# KiCad board SparkFun_Pro_Mini-ESP32_panelized.kicad_pcb (continued)
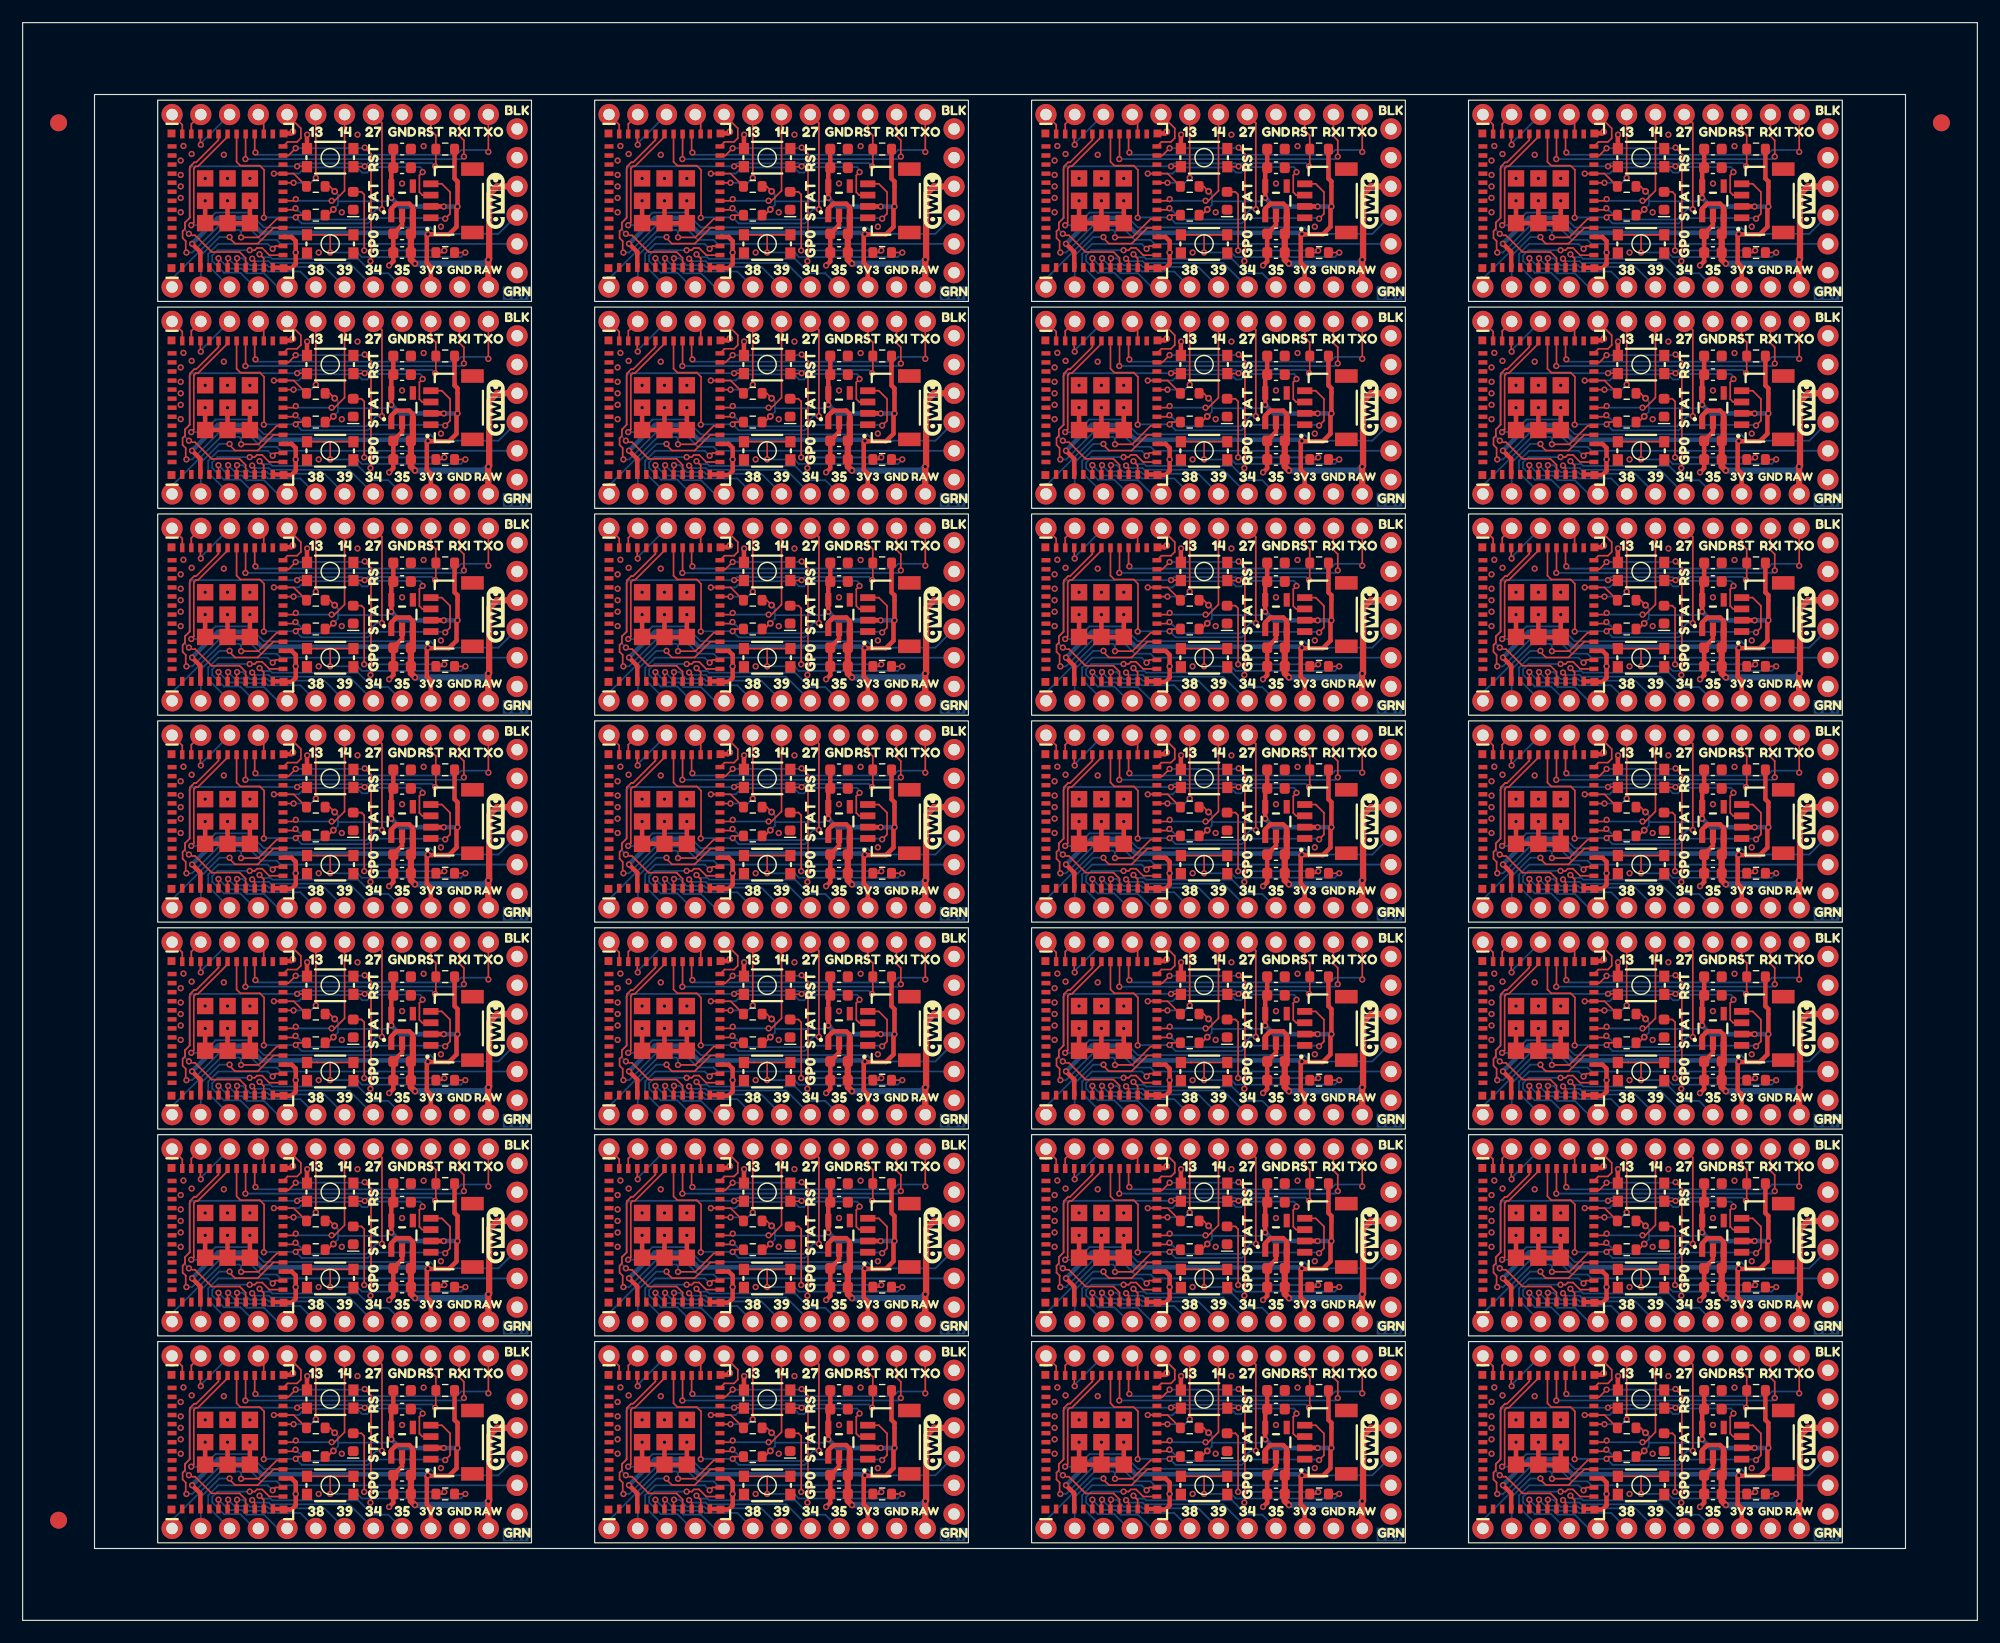
[diagram p0: board, top side]
## Routing (per net, layer and track width the routed paths; a pad name or vN(x,y) marks a point on that pad's centre or on a via; arc(x,y) is an arc through that point) (continued)
ESP_3/RX: length 1130.4
  Top w0.152: v2(130.7,104.98) 130.92,105.21 130.92,110.01 131.1,110.19 131.29,110.19 133.9,112.8 U1#19.30 ; v2(130.7,123.26) 130.92,123.49 130.92,128.29 131.1,128.47 131.29,128.47 133.9,131.08 U1#9.30 ; U1#25.30 18.1,94.52 15.49,91.91 15.3,91.91 15.12,91.73 15.12,86.93 v2(14.9,86.7) ; U1#22.30 95.3,21.4 92.69,18.79 92.5,18.79 92.32,18.61 92.32,13.81 v2(92.1,13.58) ; v2(14.9,13.58) 15.12,13.81 15.12,18.61 15.3,18.79 15.49,18.79 18.1,21.4 U1.30 ; v2(130.7,50.14) 130.92,50.37 130.92,55.17 131.1,55.35 131.29,55.35 133.9,57.96 U1#7.30 ; U1#13.30 95.3,94.52 92.69,91.91 92.5,91.91 92.32,91.73 92.32,86.93 v2(92.1,86.7) ; v2(53.5,68.42) 53.72,68.65 53.72,73.45 53.9,73.63 54.09,73.63 56.7,76.24 U1#15.30 ; v2(53.5,31.86) 53.72,32.09 53.72,36.89 53.9,37.07 54.09,37.07 56.7,39.68 U1#17.30 ; U1#11.30 95.3,112.8 92.69,110.19 92.5,110.19 92.32,110.01 92.32,105.21 v2(92.1,104.98) ; U1#10.30 95.3,76.24 92.69,73.63 92.5,73.63 92.32,73.45 92.32,68.65 v2(92.1,68.42) ; U1#24.30 18.1,76.24 15.49,73.63 15.3,73.63 15.12,73.45 15.12,68.65 v2(14.9,68.42) ; v2(53.5,104.98) 53.72,105.21 53.72,110.01 53.9,110.19 54.09,110.19 56.7,112.8 U1#21.30 ; v2(14.9,104.98) 15.12,105.21 15.12,110.01 15.3,110.19 15.49,110.19 18.1,112.8 U1#6.30 ; v2(130.7,13.58) 130.92,13.81 130.92,18.61 131.1,18.79 131.29,18.79 133.9,21.4 U1#26.30 ; v2(14.9,31.86) 15.12,32.09 15.12,36.89 15.3,37.07 15.49,37.07 18.1,39.68 U1#2.30 ; v2(130.7,86.7) 130.92,86.93 130.92,91.73 131.1,91.91 131.29,91.91 133.9,94.52 U1#3.30 ; v2(92.1,31.86) 92.32,32.09 92.32,36.89 92.5,37.07 92.69,37.07 95.3,39.68 U1#8.30 ; U1#16.30 56.7,94.52 54.09,91.91 53.9,91.91 53.72,91.73 53.72,86.93 v2(53.5,86.7) ; v2(92.1,123.26) 92.32,123.49 92.32,128.29 92.5,128.47 92.69,128.47 95.3,131.08 U1#14.30 ; v2(130.7,31.86) 130.92,32.09 130.92,36.89 131.1,37.07 131.29,37.07 133.9,39.68 U1#27.30 ; U1#20.30 56.7,57.96 54.09,55.35 53.9,55.35 53.72,55.17 53.72,50.37 v2(53.5,50.14) ; U1#12.30 133.9,76.24 131.29,73.63 131.1,73.63 130.92,73.45 130.92,68.65 v2(130.7,68.42) ; v2(53.5,123.26) 53.72,123.49 53.72,128.29 53.9,128.47 54.09,128.47 56.7,131.08 U1#23.30 ; U1#18.30 18.1,131.08 15.49,128.47 15.3,128.47 15.12,128.29 15.12,123.49 v2(14.9,123.26) ; v2(53.5,13.58) 53.72,13.81 53.72,18.61 53.9,18.79 54.09,18.79 56.7,21.4 U1#4.30 ; v2(92.1,50.14) 92.32,50.37 92.32,55.17 92.5,55.35 92.69,55.35 95.3,57.96 U1#5.30 ; v2(14.9,50.14) 15.12,50.37 15.12,55.17 15.3,55.35 15.49,55.35 18.1,57.96 U1#28.30
  Bottom w0.152: J1#12.3 80.63,49.38 75.18,49.38 74.61,49.95 59.91,49.95 58.6,51.26 55.64,51.26 54.53,50.14 53.32,50.14 ; 130.52,50.14 131.73,50.14 132.84,51.26 135.8,51.26 137.11,49.95 151.81,49.95 152.38,49.38 157.83,49.38 J1#15.3 ; 14.72,86.7 15.93,86.7 17.04,87.82 20,87.82 21.31,86.51 36.01,86.51 36.58,85.94 42.03,85.94 J1#20.3 ; J1#10.3 119.23,122.5 113.78,122.5 113.21,123.07 98.51,123.07 97.2,124.38 94.24,124.38 93.13,123.26 91.92,123.26 ; 91.92,68.42 93.13,68.42 94.24,69.54 97.2,69.54 98.51,68.23 113.21,68.23 113.78,67.66 119.23,67.66 J1#28.3 ; 130.52,68.42 131.73,68.42 132.84,69.54 135.8,69.54 137.11,68.23 151.81,68.23 152.38,67.66 157.83,67.66 J1#19.3 ; 53.32,31.86 54.53,31.86 55.64,32.98 58.6,32.98 59.91,31.67 74.61,31.67 75.18,31.1 80.63,31.1 J1.3 ; J1#16.3 157.83,12.82 152.38,12.82 151.81,13.39 137.11,13.39 135.8,14.7 132.84,14.7 131.73,13.58 130.52,13.58 ; J1#18.3 119.23,12.82 113.78,12.82 113.21,13.39 98.51,13.39 97.2,14.7 94.24,14.7 93.13,13.58 91.92,13.58 ; 53.32,13.58 54.53,13.58 55.64,14.7 58.6,14.7 59.91,13.39 74.61,13.39 75.18,12.82 80.63,12.82 J1#5.3 ; J1#2.3 157.83,104.22 152.38,104.22 151.81,104.79 137.11,104.79 135.8,106.1 132.84,106.1 131.73,104.98 130.52,104.98 ; J1#17.3 157.83,85.94 152.38,85.94 151.81,86.51 137.11,86.51 135.8,87.82 132.84,87.82 131.73,86.7 130.52,86.7 ; J1#13.3 119.23,104.22 113.78,104.22 113.21,104.79 98.51,104.79 97.2,106.1 94.24,106.1 93.13,104.98 91.92,104.98 ; 14.72,68.42 15.93,68.42 17.04,69.54 20,69.54 21.31,68.23 36.01,68.23 36.58,67.66 42.03,67.66 J1#27.3 ; 91.92,31.86 93.13,31.86 94.24,32.98 97.2,32.98 98.51,31.67 113.21,31.67 113.78,31.1 119.23,31.1 J1#24.3 ; 14.72,13.58 15.93,13.58 17.04,14.7 20,14.7 21.31,13.39 36.01,13.39 36.58,12.82 42.03,12.82 J1#11.3 ; 53.32,86.7 54.53,86.7 55.64,87.82 58.6,87.82 59.91,86.51 74.61,86.51 75.18,85.94 80.63,85.94 J1#6.3 ; J1#8.3 42.03,31.1 36.58,31.1 36.01,31.67 21.31,31.67 20,32.98 17.04,32.98 15.93,31.86 14.72,31.86 ; 53.32,104.98 54.53,104.98 55.64,106.1 58.6,106.1 59.91,104.79 74.61,104.79 75.18,104.22 80.63,104.22 J1#9.3 ; 14.72,50.14 15.93,50.14 17.04,51.26 20,51.26 21.31,49.95 36.01,49.95 36.58,49.38 42.03,49.38 J1#3.3 ; 130.52,31.86 131.73,31.86 132.84,32.98 135.8,32.98 137.11,31.67 151.81,31.67 152.38,31.1 157.83,31.1 J1#26.3 ; 53.32,68.42 54.53,68.42 55.64,69.54 58.6,69.54 59.91,68.23 74.61,68.23 75.18,67.66 80.63,67.66 J1#25.3 ; J1#4.3 42.03,104.22 36.58,104.22 36.01,104.79 21.31,104.79 20,106.1 17.04,106.1 15.93,104.98 14.72,104.98 ; J1#14.3 119.23,49.38 113.78,49.38 113.21,49.95 98.51,49.95 97.2,51.26 94.24,51.26 93.13,50.14 91.92,50.14 ; 91.92,86.7 93.13,86.7 94.24,87.82 97.2,87.82 98.51,86.51 113.21,86.51 113.78,85.94 119.23,85.94 J1#22.3 ; J1#21.3 42.03,122.5 36.58,122.5 36.01,123.07 21.31,123.07 20,124.38 17.04,124.38 15.93,123.26 14.72,123.26 ; J1#23.3 80.63,122.5 75.18,122.5 74.61,123.07 59.91,123.07 58.6,124.38 55.64,124.38 54.53,123.26 53.32,123.26 ; J1#7.3 157.83,122.5 152.38,122.5 151.81,123.07 137.11,123.07 135.8,124.38 132.84,124.38 131.73,123.26 130.52,123.26
ESP_4A: length 125.3
  Top w0.152: U1#23.24 62,130.62 62.84,130.62 63.18,130.96 63.18,131.82 J3#21.5 ; J3#20.5 101.78,40.42 101.78,39.56 101.44,39.22 100.6,39.22 U1#8.24 ; J3#19.5 24.58,113.54 24.58,112.68 24.24,112.34 23.4,112.34 U1#6.24 ; J3#9.5 140.38,40.42 140.38,39.56 140.04,39.22 139.2,39.22 U1#27.24 ; U1#15.24 62,75.78 62.84,75.78 63.18,76.12 63.18,76.98 J3#4.5 ; U1#20.24 62,57.5 62.84,57.5 63.18,57.84 63.18,58.7 J3#5.5 ; U1#3.24 139.2,94.06 140.04,94.06 140.38,94.4 140.38,95.26 J3#24.5 ; U1#4.24 62,20.94 62.84,20.94 63.18,21.28 63.18,22.14 J3#17.5 ; J3#13.5 63.18,113.54 63.18,112.68 62.84,112.34 62,112.34 U1#21.24 ; U1#17.24 62,39.22 62.84,39.22 63.18,39.56 63.18,40.42 J3.5 ; J3#7.5 140.38,131.82 140.38,130.96 140.04,130.62 139.2,130.62 U1#9.24 ; J3#25.5 24.58,22.14 24.58,21.28 24.24,20.94 23.4,20.94 U1.24 ; J3#27.5 24.58,40.42 24.58,39.56 24.24,39.22 23.4,39.22 U1#2.24 ; J3#2.5 101.78,131.82 101.78,130.96 101.44,130.62 100.6,130.62 U1#14.24 ; J3#14.5 24.58,95.26 24.58,94.4 24.24,94.06 23.4,94.06 U1#25.24 ; U1#7.24 139.2,57.5 140.04,57.5 140.38,57.84 140.38,58.7 J3#6.5 ; U1#11.24 100.6,112.34 101.44,112.34 101.78,112.68 101.78,113.54 J3#26.5 ; U1#24.24 23.4,75.78 24.24,75.78 24.58,76.12 24.58,76.98 J3#12.5 ; J3#16.5 63.18,95.26 63.18,94.4 62.84,94.06 62,94.06 U1#16.24 ; U1#18.24 23.4,130.62 24.24,130.62 24.58,130.96 24.58,131.82 J3#22.5 ; J3#10.5 101.78,95.26 101.78,94.4 101.44,94.06 100.6,94.06 U1#13.24 ; J3#3.5 140.38,76.98 140.38,76.12 140.04,75.78 139.2,75.78 U1#12.24 ; U1#5.24 100.6,57.5 101.44,57.5 101.78,57.84 101.78,58.7 J3#8.5 ; J3#11.5 140.38,113.54 140.38,112.68 140.04,112.34 139.2,112.34 U1#19.24 ; U1#28.24 23.4,57.5 24.24,57.5 24.58,57.84 24.58,58.7 J3#18.5 ; J3#23.5 101.78,76.98 101.78,76.12 101.44,75.78 100.6,75.78 U1#10.24 ; J3#15.5 101.78,22.14 101.78,21.28 101.44,20.94 100.6,20.94 U1#22.24 ; U1#26.24 139.2,20.94 140.04,20.94 140.38,21.28 140.38,22.14 J3#28.5
ESP_5: length 880.8
  Top w0.152: v2(114.53,32.44) 114.96,32.87 114.96,34.79 114.23,35.52 J4#6.4 ; v2(37.33,87.28) 37.76,87.71 37.76,89.63 37.03,90.36 J4#18.4 ; v2(62.72,32.55) 62.92,32.75 63.67,32.75 ; v2(139.92,87.39) 140.12,87.59 R3#25.2 ; 63.67,14.47 62.92,14.47 v2(62.72,14.27) ; U1#13.29 96.1,92.3 96.44,91.96 98.15,91.96 98.53,91.58 98.53,87.39 v2(98.5,87.36) ; J4#25.4 152.83,35.52 153.56,34.79 153.56,32.87 v2(153.13,32.44) ; R3#2.2 24.32,124.15 v2(24.12,123.95) ; v2(75.93,105.56) 76.36,105.99 76.36,107.91 75.63,108.64 J4#19.4 ; v2(75.93,32.44) 76.36,32.87 76.36,34.79 75.63,35.52 J4#5.4 ; J4#21.4 37.03,17.24 37.76,16.51 37.76,14.59 v2(37.33,14.16) ; U1#21.29 57.5,110.58 57.84,110.24 59.55,110.24 59.93,109.86 59.93,105.67 v2(59.9,105.64) ; 102.27,87.59 101.52,87.59 v2(101.32,87.39) ; v2(101.32,123.95) 101.52,124.15 102.27,124.15 ; v2(21.3,105.64) 21.33,105.67 21.33,109.86 20.95,110.24 19.24,110.24 18.9,110.58 U1#6.29 ; v2(98.5,50.8) 98.53,50.83 98.53,55.02 98.15,55.4 96.44,55.4 96.1,55.74 U1#5.29 ; v2(59.9,14.24) 59.93,14.27 59.93,18.46 59.55,18.84 57.84,18.84 57.5,19.18 U1#4.29 ; v2(37.33,32.44) 37.76,32.87 37.76,34.79 37.03,35.52 J4#17.4 ; v2(24.12,32.55) 24.32,32.75 R3#17.2 ; U1#24.29 18.9,74.02 19.24,73.68 20.95,73.68 21.33,73.3 21.33,69.11 v2(21.3,69.08) ; J4#28.4 152.83,72.08 153.56,71.35 153.56,69.43 v2(153.13,69) ; v2(59.9,87.36) 59.93,87.39 59.93,91.58 59.55,91.96 57.84,91.96 57.5,92.3 U1#16.29 ; 63.67,69.31 62.92,69.31 v2(62.72,69.11) ; v2(139.92,105.67) 140.12,105.87 R3#19.2 ; v2(37.33,123.84) 37.76,124.27 37.76,126.19 37.03,126.92 J4#13.4 ; J4#26.4 75.63,126.92 76.36,126.19 76.36,124.27 v2(75.93,123.84) ; J4#20.4 75.63,90.36 76.36,89.63 76.36,87.71 v2(75.93,87.28) ; 102.27,14.47 101.52,14.47 v2(101.32,14.27) ; R3.2 140.12,51.03 v2(139.92,50.83) ; v2(98.5,32.52) 98.53,32.55 98.53,36.74 98.15,37.12 96.44,37.12 96.1,37.46 U1#8.29 ; J4#4.4 75.63,17.24 76.36,16.51 76.36,14.59 v2(75.93,14.16) ; v2(37.33,69) 37.76,69.43 37.76,71.35 37.03,72.08 J4.4 ; v2(137.1,105.64) 137.13,105.67 137.13,109.86 136.75,110.24 135.04,110.24 134.7,110.58 U1#19.29 ; v2(24.12,14.27) 24.32,14.47 R3#7.2 ; J4#7.4 114.23,126.92 114.96,126.19 114.96,124.27 v2(114.53,123.84) ; U1#7.29 134.7,55.74 135.04,55.4 136.75,55.4 137.13,55.02 137.13,50.83 v2(137.1,50.8) ; v2(59.9,123.92) 59.93,123.95 59.93,128.14 59.55,128.52 57.84,128.52 57.5,128.86 U1#23.29 ; v2(153.13,123.84) 153.56,124.27 153.56,126.19 152.83,126.92 J4#15.4 ; U1#18.29 18.9,128.86 19.24,128.52 20.95,128.52 21.33,128.14 21.33,123.95 v2(21.3,123.92) ; J4#11.4 75.63,72.08 76.36,71.35 76.36,69.43 v2(75.93,69) ; v2(98.5,105.64) 98.53,105.67 98.53,109.86 98.15,110.24 96.44,110.24 96.1,110.58 U1#11.29 ; U1#17.29 57.5,37.46 57.84,37.12 59.55,37.12 59.93,36.74 59.93,32.55 v2(59.9,32.52) ; v2(114.53,87.28) 114.96,87.71 114.96,89.63 114.23,90.36 J4#27.4 ; U1#14.29 96.1,128.86 96.44,128.52 98.15,128.52 98.53,128.14 98.53,123.95 v2(98.5,123.92) ; U1#27.29 134.7,37.46 135.04,37.12 136.75,37.12 137.13,36.74 137.13,32.55 v2(137.1,32.52) ; U1#26.29 134.7,19.18 135.04,18.84 136.75,18.84 137.13,18.46 137.13,14.27 v2(137.1,14.24) ; J4#14.4 114.23,53.8 114.96,53.07 114.96,51.15 v2(114.53,50.72) ; U1#10.29 96.1,74.02 96.44,73.68 98.15,73.68 98.53,73.3 98.53,69.11 v2(98.5,69.08) ; R3#27.2 24.32,69.31 v2(24.12,69.11) ; J4#9.4 152.83,17.24 153.56,16.51 153.56,14.59 v2(153.13,14.16) ; v2(21.3,87.36) 21.33,87.39 21.33,91.58 20.95,91.96 19.24,91.96 18.9,92.3 U1#25.29 ; v2(62.72,105.67) 62.92,105.87 63.67,105.87 ; v2(114.53,105.56) 114.96,105.99 114.96,107.91 114.23,108.64 J4#12.4 ; U1#20.29 57.5,55.74 57.84,55.4 59.55,55.4 59.93,55.02 59.93,50.83 v2(59.9,50.8) ; v2(137.1,123.92) 137.13,123.95 137.13,128.14 136.75,128.52 135.04,128.52 134.7,128.86 U1#9.29 ; J4#22.4 114.23,17.24 114.96,16.51 114.96,14.59 v2(114.53,14.16) ; 102.27,32.75 101.52,32.75 v2(101.32,32.55) ; J4#3.4 75.63,53.8 76.36,53.07 76.36,51.15 v2(75.93,50.72) ; R3#18.2 140.12,124.15 v2(139.92,123.95) ; v2(101.32,50.83) 101.52,51.03 102.27,51.03 ; v2(139.92,69.11) 140.12,69.31 R3#23.2 ; 63.67,124.15 62.92,124.15 v2(62.72,123.95) ; R3#24.2 24.32,87.59 v2(24.12,87.39) ; U1#12.29 134.7,74.02 135.04,73.68 136.75,73.68 137.13,73.3 137.13,69.11 v2(137.1,69.08) ; U1.29 18.9,19.18 19.24,18.84 20.95,18.84 21.33,18.46 21.33,14.27 v2(21.3,14.24) ; J4#23.4 114.23,72.08 114.96,71.35 114.96,69.43 v2(114.53,69) ; 63.67,51.03 62.92,51.03 v2(62.72,50.83) ; v2(21.3,50.8) 21.33,50.83 21.33,55.02 20.95,55.4 19.24,55.4 18.9,55.74 U1#28.29 ; J4#24.4 152.83,53.8 153.56,53.07 153.56,51.15 v2(153.13,50.72) ; v2(98.5,14.24) 98.53,14.27 98.53,18.46 98.15,18.84 96.44,18.84 96.1,19.18 U1#22.29 ; 102.27,69.31 101.52,69.31 v2(101.32,69.11) ; R3#12.2 24.32,105.87 v2(24.12,105.67) ; v2(24.12,50.83) 24.32,51.03 R3#3.2 ; 102.27,105.87 101.52,105.87 v2(101.32,105.67) ; v2(139.92,32.55) 140.12,32.75 R3#22.2 ; 63.67,87.59 62.92,87.59 v2(62.72,87.39) ; v2(37.33,50.72) 37.76,51.15 37.76,53.07 37.03,53.8 J4#10.4 ; v2(59.9,69.08) 59.93,69.11 59.93,73.3 59.55,73.68 57.84,73.68 57.5,74.02 U1#15.29 ; U1#3.29 134.7,92.3 135.04,91.96 136.75,91.96 137.13,91.58 137.13,87.39 v2(137.1,87.36) ; J4#8.4 37.03,108.64 37.76,107.91 37.76,105.99 v2(37.33,105.56) ; U1#2.29 18.9,37.46 19.24,37.12 20.95,37.12 21.33,36.74 21.33,32.55 v2(21.3,32.52) ; v2(139.92,14.27) 140.12,14.47 R3#4.2 ; v2(153.13,105.56) 153.56,105.99 153.56,107.91 152.83,108.64 J4#2.4 ; J4#16.4 152.83,90.36 153.56,89.63 153.56,87.71 v2(153.13,87.28)
  Bottom w0.152: v2(75.93,50.72) 75.88,50.78 69.58,50.78 69.1,50.3 63.25,50.3 v2(62.72,50.83) 59.93,50.83 v2(59.9,50.8) ; v2(98.5,123.92) 98.53,123.95 v2(101.32,123.95) 101.85,123.42 107.7,123.42 108.18,123.9 114.48,123.9 v2(114.53,123.84) ; v2(59.9,32.52) 59.93,32.55 v2(62.72,32.55) 63.25,32.02 69.1,32.02 69.58,32.5 75.88,32.5 v2(75.93,32.44) ; v2(98.5,14.24) 98.53,14.27 v2(101.32,14.27) 101.85,13.74 107.7,13.74 108.18,14.22 114.48,14.22 v2(114.53,14.16) ; v2(75.93,105.56) 75.88,105.62 69.58,105.62 69.1,105.14 63.25,105.14 v2(62.72,105.67) 59.93,105.67 v2(59.9,105.64) ; v2(75.93,69) 75.88,69.06 69.58,69.06 69.1,68.58 63.25,68.58 v2(62.72,69.11) 59.93,69.11 v2(59.9,69.08) ; v2(114.53,32.44) 114.48,32.5 108.18,32.5 107.7,32.02 101.85,32.02 v2(101.32,32.55) 98.53,32.55 v2(98.5,32.52) ; v2(137.1,50.8) 137.13,50.83 v2(139.92,50.83) 140.45,50.3 146.3,50.3 146.78,50.78 153.08,50.78 v2(153.13,50.72) ; v2(137.1,105.64) 137.13,105.67 v2(139.92,105.67) 140.45,105.14 146.3,105.14 146.78,105.62 153.08,105.62 v2(153.13,105.56) ; v2(37.33,123.84) 37.28,123.9 30.98,123.9 30.5,123.42 24.65,123.42 v2(24.12,123.95) 21.33,123.95 v2(21.3,123.92) ; v2(37.33,14.16) 37.28,14.22 30.98,14.22 30.5,13.74 24.65,13.74 v2(24.12,14.27) 21.33,14.27 v2(21.3,14.24) ; v2(98.5,69.08) 98.53,69.11 v2(101.32,69.11) 101.85,68.58 107.7,68.58 108.18,69.06 114.48,69.06 v2(114.53,69) ; v2(98.5,105.64) 98.53,105.67 v2(101.32,105.67) 101.85,105.14 107.7,105.14 108.18,105.62 114.48,105.62 v2(114.53,105.56) ; v2(137.1,14.24) 137.13,14.27 v2(139.92,14.27) 140.45,13.74 146.3,13.74 146.78,14.22 153.08,14.22 v2(153.13,14.16) ; v2(153.13,32.44) 153.08,32.5 146.78,32.5 146.3,32.02 140.45,32.02 v2(139.92,32.55) 137.13,32.55 v2(137.1,32.52) ; v2(21.3,105.64) 21.33,105.67 v2(24.12,105.67) 24.65,105.14 30.5,105.14 30.98,105.62 37.28,105.62 v2(37.33,105.56) ; v2(114.53,87.28) 114.48,87.34 108.18,87.34 107.7,86.86 101.85,86.86 v2(101.32,87.39) 98.53,87.39 v2(98.5,87.36) ; v2(37.33,32.44) 37.28,32.5 30.98,32.5 30.5,32.02 24.65,32.02 v2(24.12,32.55) 21.33,32.55 v2(21.3,32.52) ; v2(153.13,87.28) 153.08,87.34 146.78,87.34 146.3,86.86 140.45,86.86 v2(139.92,87.39) 137.13,87.39 v2(137.1,87.36) ; v2(21.3,69.08) 21.33,69.11 v2(24.12,69.11) 24.65,68.58 30.5,68.58 30.98,69.06 37.28,69.06 v2(37.33,69) ; v2(21.3,87.36) 21.33,87.39 v2(24.12,87.39) 24.65,86.86 30.5,86.86 30.98,87.34 37.28,87.34 v2(37.33,87.28) ; v2(59.9,123.92) 59.93,123.95 v2(62.72,123.95) 63.25,123.42 69.1,123.42 69.58,123.9 75.88,123.9 v2(75.93,123.84) ; v2(37.33,50.72) 37.28,50.78 30.98,50.78 30.5,50.3 24.65,50.3 v2(24.12,50.83) 21.33,50.83 v2(21.3,50.8) ; v2(153.13,123.84) 153.08,123.9 146.78,123.9 146.3,123.42 140.45,123.42 v2(139.92,123.95) 137.13,123.95 v2(137.1,123.92) ; v2(75.93,14.16) 75.88,14.22 69.58,14.22 69.1,13.74 63.25,13.74 v2(62.72,14.27) 59.93,14.27 v2(59.9,14.24) ; v2(59.9,87.36) 59.93,87.39 v2(62.72,87.39) 63.25,86.86 69.1,86.86 69.58,87.34 75.88,87.34 v2(75.93,87.28) ; v2(114.53,50.72) 114.48,50.78 108.18,50.78 107.7,50.3 101.85,50.3 v2(101.32,50.83) 98.53,50.83 v2(98.5,50.8) ; v2(137.1,69.08) 137.13,69.11 v2(139.92,69.11) 140.45,68.58 146.3,68.58 146.78,69.06 153.08,69.06 v2(153.13,69)
ESP_7: length 724.3
  Top w0.152: J3#4.12 v2(79.74,74.9) ; J3#18.12 v2(41.14,56.62) ; v2(59.17,20) 59.1,20.07 U1#4.27 ; v2(97.77,20) 97.7,20.07 U1#22.27 ; J3#16.12 v2(79.74,93.18) ; J3#17.12 v2(79.74,20.06) ; J3#12.12 v2(41.14,74.9) ; J3#19.12 v2(41.14,111.46) ; U1#27.27 136.3,38.35 v2(136.37,38.28) ; J3#28.12 v2(156.94,20.06) ; v2(97.77,129.68) 97.7,129.75 U1#14.27 ; U1#28.27 20.5,56.63 v2(20.57,56.56) ; v2(20.57,129.68) 20.5,129.75 U1#18.27 ; v2(59.17,38.28) 59.1,38.35 U1#17.27 ; v2(59.17,129.68) 59.1,129.75 U1#23.27 ; J3#25.12 v2(41.14,20.06) ; J3#11.12 v2(156.94,111.46) ; v2(20.57,111.4) 20.5,111.47 U1#6.27 ; v2(97.77,111.4) 97.7,111.47 U1#11.27 ; v2(20.57,38.28) 20.5,38.35 U1#2.27 ; U1#24.27 20.5,74.91 v2(20.57,74.84) ; J3#14.12 v2(41.14,93.18) ; J3#26.12 v2(118.34,111.46) ; J3#2.12 v2(118.34,129.74) ; U1#16.27 59.1,93.19 v2(59.17,93.12) ; v2(59.17,111.4) 59.1,111.47 U1#21.27 ; U1#15.27 59.1,74.91 v2(59.17,74.84) ; J3#21.12 v2(79.74,129.74) ; U1#9.27 136.3,129.75 v2(136.37,129.68) ; v2(136.37,74.84) 136.3,74.91 U1#12.27 ; U1#7.27 136.3,56.63 v2(136.37,56.56) ; J3#27.12 v2(41.14,38.34) ; U1#19.27 136.3,111.47 v2(136.37,111.4) ; J3#15.12 v2(118.34,20.06) ; v2(20.57,93.12) 20.5,93.19 U1#25.27 ; J3#23.12 v2(118.34,74.9) ; v2(97.77,38.28) 97.7,38.35 U1#8.27 ; J3#20.12 v2(118.34,38.34) ; U1#10.27 97.7,74.91 v2(97.77,74.84) ; J3#22.12 v2(41.14,129.74) ; J3#6.12 v2(156.94,56.62) ; J3#10.12 v2(118.34,93.18) ; U1#13.27 97.7,93.19 v2(97.77,93.12) ; U1#5.27 97.7,56.63 v2(97.77,56.56) ; U1#3.27 136.3,93.19 v2(136.37,93.12) ; J3#13.12 v2(79.74,111.46) ; J3#5.12 v2(79.74,56.62) ; J3#7.12 v2(156.94,129.74) ; U1#26.27 136.3,20.07 v2(136.37,20) ; U1#20.27 59.1,56.63 v2(59.17,56.56) ; J3#8.12 v2(118.34,56.62) ; J3#9.12 v2(156.94,38.34) ; J3#24.12 v2(156.94,93.18) ; J3.12 v2(79.74,38.34) ; v2(20.57,20) 20.5,20.07 U1.27 ; J3#3.12 v2(156.94,74.9)
  Bottom w0.152: v2(156.94,111.46) 156.77,111.63 154.54,111.63 154.12,111.2 136.57,111.2 v2(136.37,111.4) ; v2(59.17,111.4) 59.37,111.2 76.92,111.2 77.34,111.63 79.57,111.63 v2(79.74,111.46) ; v2(20.57,93.12) 20.77,92.92 38.32,92.92 38.74,93.35 40.97,93.35 v2(41.14,93.18) ; v2(20.57,56.56) 20.77,56.36 38.32,56.36 38.74,56.79 40.97,56.79 v2(41.14,56.62) ; v2(156.94,20.06) 156.77,20.23 154.54,20.23 154.12,19.8 136.57,19.8 v2(136.37,20) ; v2(97.77,38.28) 97.97,38.08 115.52,38.08 115.94,38.51 118.17,38.51 v2(118.34,38.34) ; v2(156.94,129.74) 156.77,129.91 154.54,129.91 154.12,129.48 136.57,129.48 v2(136.37,129.68) ; v2(156.94,74.9) 156.77,75.07 154.54,75.07 154.12,74.64 136.57,74.64 v2(136.37,74.84) ; v2(97.77,129.68) 97.97,129.48 115.52,129.48 115.94,129.91 118.17,129.91 v2(118.34,129.74) ; v2(136.37,56.56) 136.57,56.36 154.12,56.36 154.54,56.79 156.77,56.79 v2(156.94,56.62) ; v2(59.17,38.28) 59.37,38.08 76.92,38.08 77.34,38.51 79.57,38.51 v2(79.74,38.34) ; v2(20.57,38.28) 20.77,38.08 38.32,38.08 38.74,38.51 40.97,38.51 v2(41.14,38.34) ; v2(136.37,93.12) 136.57,92.92 154.12,92.92 154.54,93.35 156.77,93.35 v2(156.94,93.18) ; v2(79.74,20.06) 79.57,20.23 77.34,20.23 76.92,19.8 59.37,19.8 v2(59.17,20) ; v2(59.17,56.56) 59.37,56.36 76.92,56.36 77.34,56.79 79.57,56.79 v2(79.74,56.62) ; v2(97.77,74.84) 97.97,74.64 115.52,74.64 115.94,75.07 118.17,75.07 v2(118.34,74.9) ; v2(20.57,129.68) 20.77,129.48 38.32,129.48 38.74,129.91 40.97,129.91 v2(41.14,129.74) ; v2(59.17,129.68) 59.37,129.48 76.92,129.48 77.34,129.91 79.57,129.91 v2(79.74,129.74) ; v2(20.57,111.4) 20.77,111.2 38.32,111.2 38.74,111.63 40.97,111.63 v2(41.14,111.46) ; v2(59.17,74.84) 59.37,74.64 76.92,74.64 77.34,75.07 79.57,75.07 v2(79.74,74.9) ; v2(97.77,111.4) 97.97,111.2 115.52,111.2 115.94,111.63 118.17,111.63 v2(118.34,111.46) ; v2(156.94,38.34) 156.77,38.51 154.54,38.51 154.12,38.08 136.57,38.08 v2(136.37,38.28) ; v2(20.57,74.84) 20.77,74.64 38.32,74.64 38.74,75.07 40.97,75.07 v2(41.14,74.9) ; v2(97.77,56.56) 97.97,56.36 115.52,56.36 115.94,56.79 118.17,56.79 v2(118.34,56.62) ; v2(20.57,20) 20.77,19.8 38.32,19.8 38.74,20.23 40.97,20.23 v2(41.14,20.06) ; v2(97.77,20) 97.97,19.8 115.52,19.8 115.94,20.23 118.17,20.23 v2(118.34,20.06) ; v2(97.77,93.12) 97.97,92.92 115.52,92.92 115.94,93.35 118.17,93.35 v2(118.34,93.18) ; v2(59.17,93.12) 59.37,92.92 76.92,92.92 77.34,93.35 79.57,93.35 v2(79.74,93.18)
ESP_8: length 713.9
  Top w0.152: v2(116.18,19.64) 116.18,21.07 115.8,21.46 J3#15.11 ; v2(116.18,37.92) 116.18,39.35 115.8,39.74 J3#20.11 ; v2(96.88,19.42) 96.9,19.45 U1#22.28 ; v2(58.28,110.82) 58.3,110.85 U1#21.28 ; v2(38.98,56.2) 38.98,57.63 38.6,58.02 J3#18.11 ; v2(77.58,92.76) 77.58,94.19 77.2,94.58 J3#16.11 ; U1#8.28 96.9,37.73 v2(96.88,37.7) ; J3#25.11 38.6,21.46 38.98,21.07 v2(38.98,19.64) ; v2(96.88,74.26) 96.9,74.29 U1#10.28 ; v2(19.68,55.98) 19.7,56.01 U1#28.28 ; v2(96.88,110.82) 96.9,110.85 U1#11.28 ; v2(58.28,37.7) 58.3,37.73 U1#17.28 ; J3#12.11 38.6,76.3 38.98,75.91 v2(38.98,74.48) ; v2(135.48,55.98) 135.5,56.01 U1#7.28 ; v2(116.18,111.04) 116.18,112.47 115.8,112.86 J3#26.11 ; v2(154.78,92.76) 154.78,94.19 154.4,94.58 J3#24.11 ; v2(77.58,19.64) 77.58,21.07 77.2,21.46 J3#17.11 ; J3#8.11 115.8,58.02 116.18,57.63 v2(116.18,56.2) ; U1#15.28 58.3,74.29 v2(58.28,74.26) ; U1#6.28 19.7,110.85 v2(19.68,110.82) ; v2(116.18,74.48) 116.18,75.91 115.8,76.3 J3#23.11 ; v2(19.68,74.26) 19.7,74.29 U1#24.28 ; J3#3.11 154.4,76.3 154.78,75.91 v2(154.78,74.48) ; v2(58.28,129.1) 58.3,129.13 U1#23.28 ; v2(116.18,92.76) 116.18,94.19 115.8,94.58 J3#10.11 ; J3#4.11 77.2,76.3 77.58,75.91 v2(77.58,74.48) ; U1#3.28 135.5,92.57 v2(135.48,92.54) ; U1#9.28 135.5,129.13 v2(135.48,129.1) ; v2(77.58,56.2) 77.58,57.63 77.2,58.02 J3#5.11 ; v2(19.68,19.42) 19.7,19.45 U1.28 ; U1#25.28 19.7,92.57 v2(19.68,92.54) ; U1#27.28 135.5,37.73 v2(135.48,37.7) ; v2(38.98,129.32) 38.98,130.75 38.6,131.14 J3#22.11 ; v2(154.78,111.04) 154.78,112.47 154.4,112.86 J3#11.11 ; v2(96.88,129.1) 96.9,129.13 U1#14.28 ; v2(58.28,55.98) 58.3,56.01 U1#20.28 ; U1#19.28 135.5,110.85 v2(135.48,110.82) ; J3#19.11 38.6,112.86 38.98,112.47 v2(38.98,111.04) ; J3#28.11 154.4,21.46 154.78,21.07 v2(154.78,19.64) ; v2(96.88,92.54) 96.9,92.57 U1#13.28 ; v2(38.98,37.92) 38.98,39.35 38.6,39.74 J3#27.11 ; v2(19.68,129.1) 19.7,129.13 U1#18.28 ; J3#2.11 115.8,131.14 116.18,130.75 v2(116.18,129.32) ; v2(96.88,55.98) 96.9,56.01 U1#5.28 ; J3#13.11 77.2,112.86 77.58,112.47 v2(77.58,111.04) ; v2(77.58,129.32) 77.58,130.75 77.2,131.14 J3#21.11 ; J3#9.11 154.4,39.74 154.78,39.35 v2(154.78,37.92) ; J3.11 77.2,39.74 77.58,39.35 v2(77.58,37.92) ; U1#16.28 58.3,92.57 v2(58.28,92.54) ; v2(154.78,56.2) 154.78,57.63 154.4,58.02 J3#6.11 ; v2(19.68,37.7) 19.7,37.73 U1#2.28 ; v2(38.98,92.76) 38.98,94.19 38.6,94.58 J3#14.11 ; v2(135.48,74.26) 135.5,74.29 U1#12.28 ; U1#4.28 58.3,19.45 v2(58.28,19.42) ; J3#7.11 154.4,131.14 154.78,130.75 v2(154.78,129.32) ; v2(135.48,19.42) 135.5,19.45 U1#26.28
  Bottom w0.152: v2(19.68,92.54) 38.76,92.54 v2(38.98,92.76) ; v2(19.68,74.26) 38.76,74.26 v2(38.98,74.48) ; v2(38.98,56.2) 38.76,55.98 v2(19.68,55.98) ; v2(77.58,111.04) 77.36,110.82 v2(58.28,110.82) ; v2(154.78,74.48) 154.56,74.26 v2(135.48,74.26) ; v2(135.48,110.82) 154.56,110.82 v2(154.78,111.04) ; v2(77.58,19.64) 77.36,19.42 v2(58.28,19.42) ; v2(116.18,74.48) 115.96,74.26 v2(96.88,74.26) ; v2(154.78,129.32) 154.56,129.1 v2(135.48,129.1) ; v2(58.28,37.7) 77.36,37.7 v2(77.58,37.92) ; v2(116.18,111.04) 115.96,110.82 v2(96.88,110.82) ; v2(154.78,56.2) 154.56,55.98 v2(135.48,55.98) ; v2(116.18,37.92) 115.96,37.7 v2(96.88,37.7) ; v2(135.48,37.7) 154.56,37.7 v2(154.78,37.92) ; v2(116.18,129.32) 115.96,129.1 v2(96.88,129.1) ; v2(38.98,129.32) 38.76,129.1 v2(19.68,129.1) ; v2(58.28,55.98) 77.36,55.98 v2(77.58,56.2) ; v2(154.78,92.76) 154.56,92.54 v2(135.48,92.54) ; v2(77.58,129.32) 77.36,129.1 v2(58.28,129.1) ; v2(96.88,92.54) 115.96,92.54 v2(116.18,92.76) ; v2(77.58,74.48) 77.36,74.26 v2(58.28,74.26) ; v2(19.68,37.7) 38.76,37.7 v2(38.98,37.92) ; v2(154.78,19.64) 154.56,19.42 v2(135.48,19.42) ; v2(19.68,110.82) 38.76,110.82 v2(38.98,111.04) ; v2(77.58,92.76) 77.36,92.54 v2(58.28,92.54) ; v2(116.18,56.2) 115.96,55.98 v2(96.88,55.98) ; v2(116.18,19.64) 115.96,19.42 v2(96.88,19.42) ; v2(19.68,19.42) 38.76,19.42 v2(38.98,19.64)
